# Altium PCB SPG_300.PcbDoc (part 5 of 7) (continued)
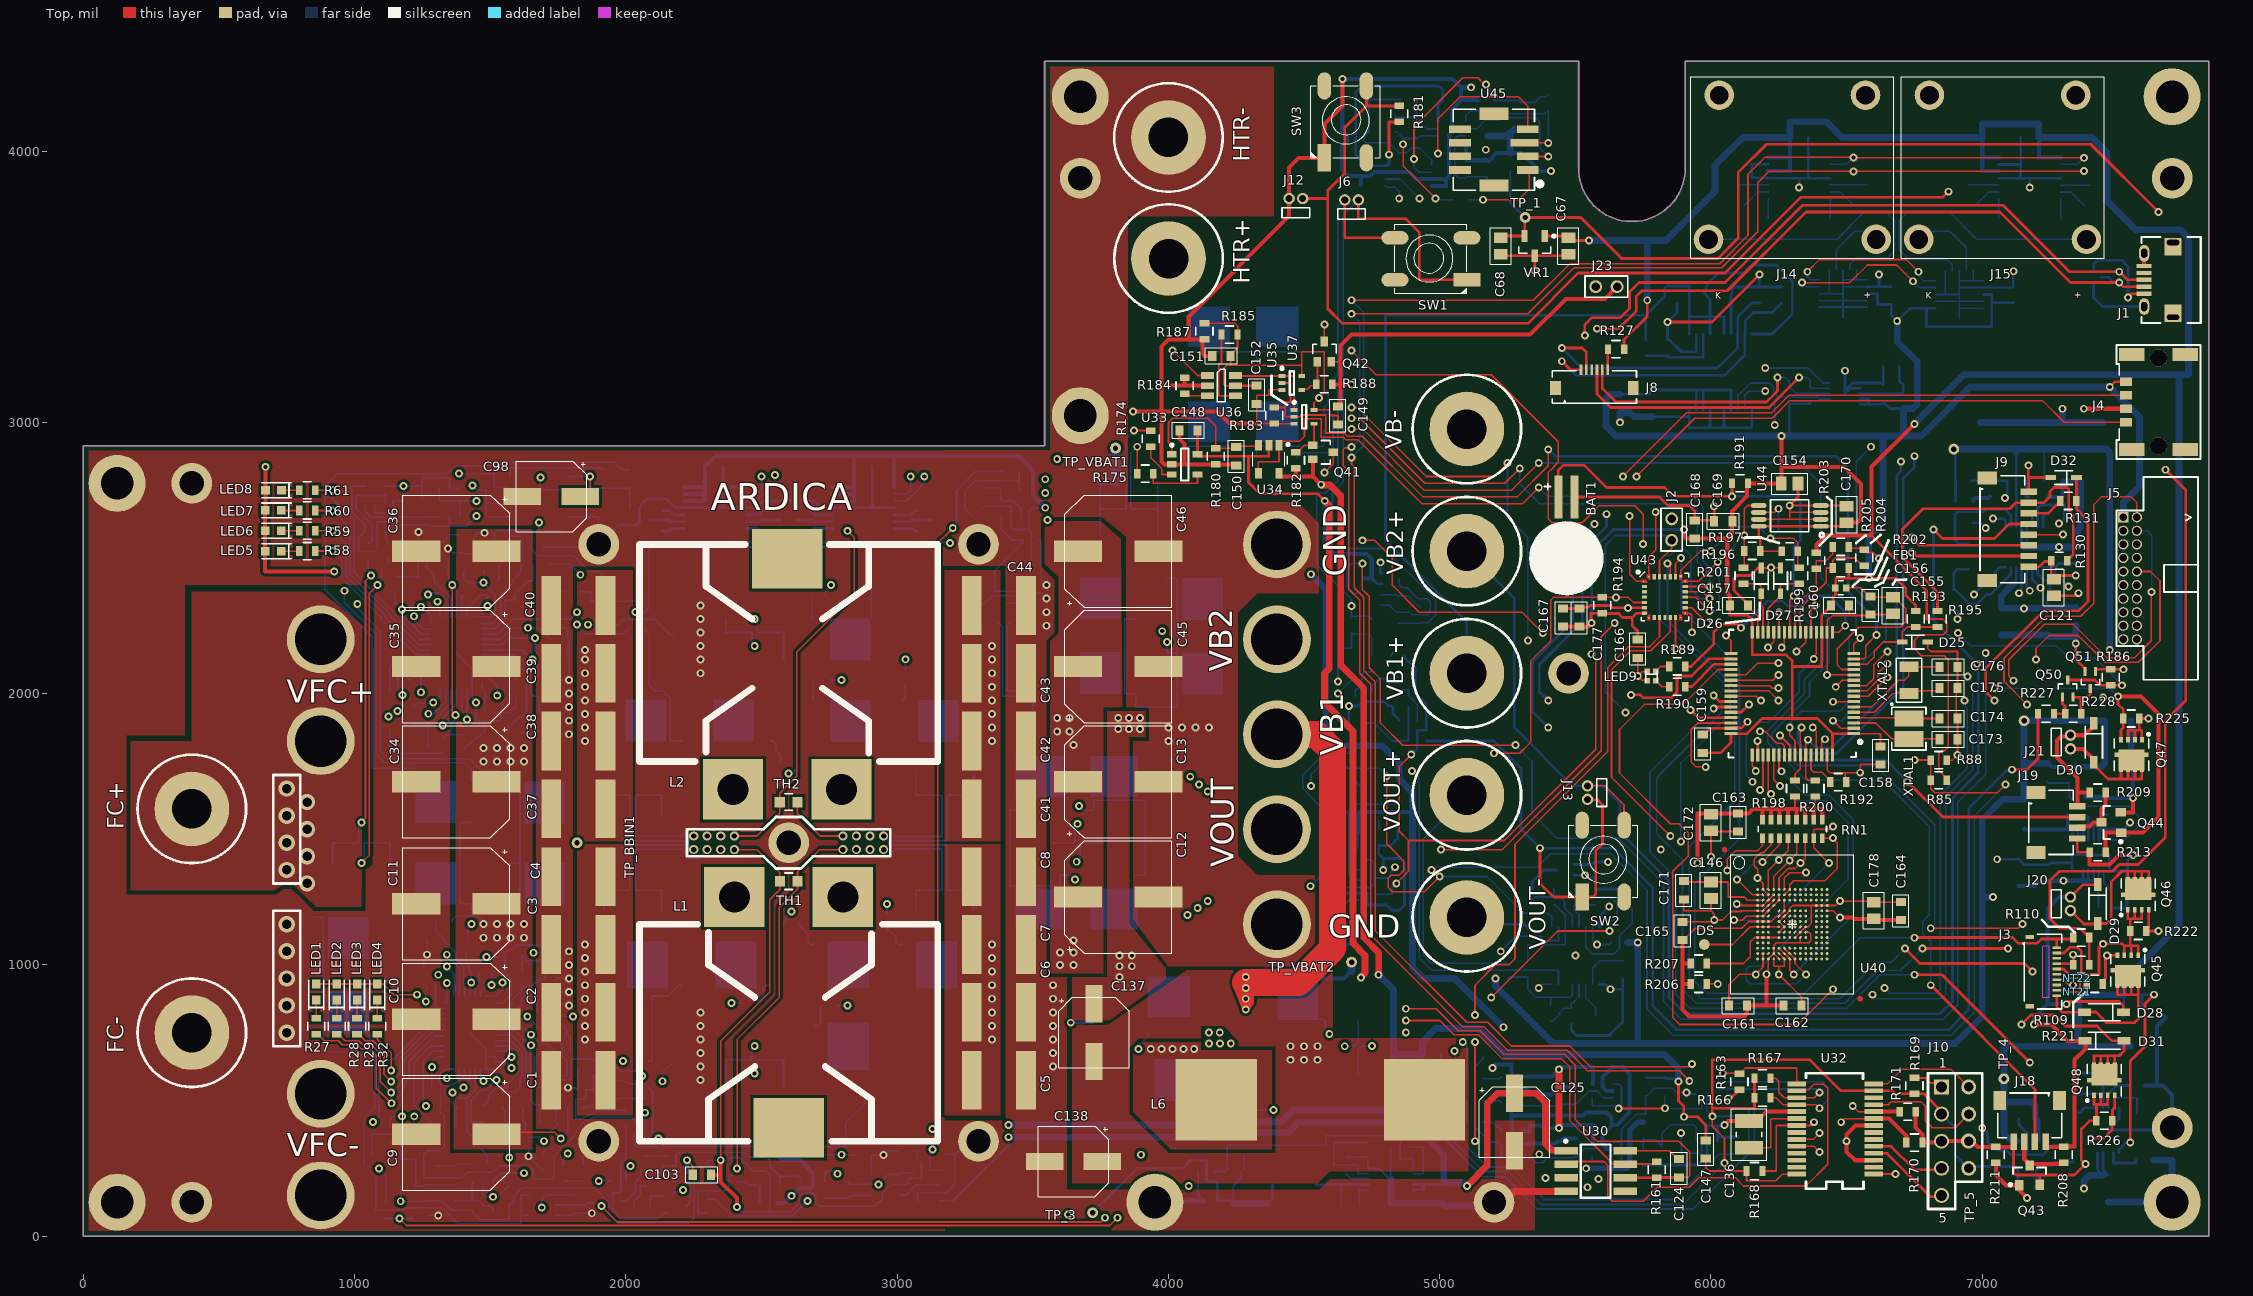
[diagram p0: Top view]
## Nets (pads, with @x,y where several pads share a name; then routed paths per layer and width w, separated by ;. In a path a pad name is that pad's centre, name@x,y a point inside that pad or via, vN(x,y) a via of type N, cw(c..) or ccw(c..) an arc to the next point about the centre after c; other vN are vias at no path point) (continued)
  Bottom w6: R220.2@4835,4129.53 4839.77,4124.76 4905.09,4124.76 C187.1@4914.53,4115.31 ; R216.1@4914.53,4190.51 C187.1@4914.53,4115.31 ; U47.7@4993.43,4082.32 4951.46,4082.32 4920.79,4112.99 C187.1@4916.85,4112.99 C187.1@4914.53,4115.31
NetC187_2: C187.2 R217.2 R220.1 U47.6 | length 523.8
  Top w6: v1(4865.31,4025) 4865.31,3944.68 v1(4985,3825)
  Bottom w6: R220.1@4835,4070.47 4840.91,4070.47 4865.31,4046.06 ; v1(4865.31,4025) 4865.31,4046.06 ; C187.2@4907.91,4055 C187.2@4916.85,4046.06 ; v1(4985,3825) 4990,3820 R217.2@5050.45,3820 ; U47.6@4993.43,4056.73 4927.52,4056.73 C187.2@4916.85,4046.06 ; 4865.31,4046.06 C187.2@4916.85,4046.06
NetC188_1: C188.1 C189.1 D17.A | length 317.7
  Bottom w6: C189.1@4722.85,1891.73 4758.27,1891.73 4825,1825 C188.1@4883.39,1825 4885,1826.61 D17.A@4885,1953.9
NetD2_A: D2.A D4.A NT3.1 Q1.S1 Q1.S2 Q1.S3 Q3.S1 Q3.S2 Q3.S3 Q4.S1 Q4.S2 Q4.S3 R9.2 R10.2 | length 211.3
  Bottom w6: NT3.1@2484.96,635 2484.96,650 2581.26,650 R10.2@2581.26,550
NetD5_A: D5.A D6.A R18.2 | length 135.4
  Bottom w6: D5.A@1294.96,259.13 1371.73,259.13 1372.2,259.61 1377.59,265 R18.2@1427.93,265
NetD7_A: D7.A D9.A NT11.2 Q7.S1 Q7.S2 Q7.S3 Q9.S1 Q9.S2 Q9.S3 Q10.S1 Q10.S2 Q10.S3 R48.2 R49.2 | length 206.3
  Bottom w6: NT11.2@2484.96,2235 2484.96,2225 2581.26,2225 R48.2@2581.26,2125
NetD11_A: D11.A D12.A R53.2 | length 275.6
  Bottom w6: D11.A@1129.13,1869.13 1129.13,1810 1129.13,1805 1134.06,1805 1158.58,1780.47 R53.2@1330.47,1780.47
NetD14_3: D14.3 Q15.1 | length 186.2
  Bottom w6: Q15.1@2174.64,228.5 2174.64,200 2237,200 2237,125.05 D14.3@2222.6,110.65
NetD15_3: D15.3 Q14.1 | length 165.6
  Bottom w6: D15.3@1975,129.13 2000.59,129.13 2036,164.54 2036,200.53 2055.32,219.84 Q14.1@2055.32,246.5
NetD19_C: D19.C Q27.S1 Q27.S2 Q27.S3 Q28.S1 Q28.S2 Q28.S3 Q29.S1 Q29.S2 Q29.S3 Q30.S1 Q30.S2 Q30.S3 | length 885.3
  Route2-SIG w6: v1(3977.34,2230) 3977.34,2223.56 3965,2211.22 3965,2176.36 3981.24,2160.12 3999.06,2160.12 4119.18,2040 4585,2040 v1(4625,2000)
  Bottom w6: v1(4625,2000) 4674.49,2049.49 4674.49,2072.24 D19.C@4675,2072.76
NetD20_1: D20.1 R121.1 | length 73.7
  Bottom w6: D20.1@4819.41,2137.4 4819.41,2141.34 4845,2166.93 R121.1@4845,2200.47
NetD21_A: D21.A Q33.G R128.1 R129.2 | length 502.5
  Bottom w6: Q33.G@4344.88,950 4344.88,976.34 4368.54,1000 4570,1000 4602.76,1032.76 D21.A@4602.76,1075 4595.91,1101.84 4595.91,1150.33 R128.1@4595.47,1150.77 4595.47,1165 R129.2@4595.47,1226.66
NetD25_C: D25.C R193.1 R195.2 U41.14 | length 399.1
  Top w6: U41.14@6526.38,2108.27 6574.84,2108.27 6601.57,2135 6601.57,2156.57 6635,2190 D25.C@6704.45,2190 6704.45,2225.94 6723.98,2245.47 R193.1@6755,2245.47 R195.2@6835,2245.47
NetD29_A: D29.A J20.1 Q46.D1 Q46.D2 Q46.D3 Q46.D4 | length 603.5
  Top w10: J20.1@7325,1200 7374.23,1150.77 7423.61,1150.77 D29.A@7425,1152.17 7457.68,1152.17 7475,1169.49 7475,1305.95 7514.05,1345 7536.61,1345 ; Q46.D4@7536.61,1311.42 7536.61,1345 ; Q46.D3@7562.2,1311.42 7562.2,1345 ; Q46.D2@7587.8,1311.42 7587.8,1345 ; Q46.D1@7613.39,1311.42 7613.39,1345 7587.8,1345 ; 7536.61,1345 7562.2,1345 ; 7562.2,1345 7587.8,1345
NetD30_A: D30.A J21.1 Q47.D1 Q47.D2 Q47.D3 Q47.D4 | length 468.5
  Top w10: D30.A@7411.61,1747.17 7411.61,1737.32 7463.94,1685 7511.61,1685 ; Q47.D1@7511.61,1721.85 7511.61,1685 ; Q47.D2@7537.2,1721.85 7537.2,1685 ; Q47.D3@7562.8,1721.85 7562.8,1685 ; Q47.D4@7588.39,1721.85 7588.39,1685 7562.8,1685 ; 7511.61,1685 7537.2,1685 ; 7537.2,1685 7562.8,1685
  Top w15: J21.1@7325,1796.51 7372.11,1796.51 7411.61,1757.01 D30.A@7411.61,1747.17
NetDS_TP: DS.TP U40.*DS | length 302.8
  Top w6: DS.TP@5975,1075 6079.53,1075 6144.69,1140.16 U40.*DS@6172.05,1140.16 U40.*DS@6191.73,1140.16 U40.*DS@6211.42,1140.16 U40.*DS@6250.79,1140.16
NetJ1_1: J1.1 U42.6 | length 350.4
  Top w10: v1(7537.2,3460) 7551.02,3473.82 J1.1@7596.85,3473.82
  Bottom w10: U42.6@7410.73,3554.68 7410.73,3583.09 7425,3597.36 7514.84,3597.36 7537.2,3575 v1(7537.2,3460)
NetJ9_3: J9.3 R131.1 | length 139.1
  Top w10: J9.3@7171.26,2664.53 7242.6,2664.53 7275.35,2697.28 7281.26,2697.28 7288.07,2704.09 R131.1@7288.07,2710
NetJ10_1: J10.1 R169.2 U32.1 | length 586.2
  Top w7: U32.1@6599.43,228.66 v1(6680,228.66) ; R169.2@6750,583.58 6790.22,583.58 6808.74,565.06 6834.94,565.06 J10.1@6850,550
  Route3-GND w7: v1(6680,228.66) 6680,380 J10.1@6850,550
NetJ14_1: J14.1 U38.4 | length 1069.8
  Bottom w6: J14.1@5990.94,3704.25 6020.2,3675 6465,3675 6565,3775 6645,3775 6678,3742 6678,3633 6650,3605 6534.41,3605 6512.36,3582.95 U38.4@6512.36,3562.8
NetJ14_2: J14.2 U38.2 | length 249
  Bottom w6: U38.2@6461.18,3562.8 6461.18,3635.43 6530,3704.25 J14.2@6609.06,3704.25
NetJ15_1: J15.1 U39.4 | length 283.6
  Bottom w6: J15.1@6765.94,3704.25 6880,3704.25 6940.59,3643.66 U39.4@6940.59,3559.76
NetJ15_2: J15.2 U39.2 | length 1102.8
  Bottom w6: U39.2@6889.41,3559.76 6889.41,3580.59 6870,3600 6730,3600 6695,3635 6695,3745 6725,3775 6879.25,3775 6979.25,3675 7354.8,3675 J15.2@7384.06,3704.25
NetJ18_3: J18.3 Q43.3 R208.1 | length 223.8
  Top w15: J18.3@7154.8,347.95 7154.8,283.46 Q43.3@7174.49,263.78 ; Q43.3@7174.49,260.43 Q43.3@7174.49,263.78 ; R208.1@7300,270 7295.69,265.69 7176.4,265.69 Q43.3@7174.49,263.78
NetJ19_3: J19.3 Q44.3 R209.1 | length 213.7
  Top w15: J19.3@7350.47,1505.32 7354.78,1509.63 7394.63,1509.63 7410.16,1525.16 Q44.3@7439.41,1525.16 ; Q44.3@7439.57,1525 Q44.3@7439.41,1525.16 ; R209.1@7454.53,1635.24 7454.53,1590.12 7439.41,1575 Q44.3@7439.41,1525.16
NetLED1_C: LED1.C R27.1 | length 66.9
  Top w6: R27.1@859.01,803.6 LED1.C@859.01,870.47
NetLED2_C: LED2.C R28.1 | length 66.9
  Top w6: R28.1@934.01,803.6 LED2.C@934.01,870.47
NetLED3_C: LED3.C R29.1 | length 66.9
  Top w6: R29.1@1009.01,803.6 LED3.C@1009.01,870.47
NetLED4_C: LED4.C R32.1 | length 66.9
  Top w6: R32.1@1084.01,803.6 LED4.C@1084.01,870.47
NetLED5_C: LED5.C R58.1 | length 66.2
  Top w6: LED5.C@729.48,2525 795,2525 R58.1@795.47,2525.47
NetLED6_C: LED6.C R59.1 | length 65.9
  Top w6: LED6.C@729.48,2600 R59.1@795.43,2600
NetLED7_C: LED7.C R60.1 | length 65.9
  Top w6: LED7.C@729.48,2675 R60.1@795.43,2675
NetLED8_C: LED8.C R61.1 | length 64.8
  Top w6: LED8.C@730.63,2750 R61.1@795.47,2750
NetLED9_AL: LED9.AL R189.1 | length 56.3
  Top w6: LED9.AL@5796.22,2082.87 5813.35,2100 R189.1@5845.47,2100
NetLED9_AS: LED9.AS R190.1 | length 58.5
  Top w6: LED9.AS@5796.22,2047.44 5818.66,2025 R190.1@5845.47,2025
NetNT1_1: NT1.1 U1.31 | length 2400.8
  Route2-SIG w6: v2(1339.88,933.23) 1339.88,953.21 1383.7,997.04 1383.7,1221.03 1542.67,1380 2464.52,1380 2529.52,1315 2683.78,1315 2757.99,1389.21 2864.13,1389.21 v3(2899.92,1425)
  Bottom w6: U1.31@1330.47,858.27 1337.54,858.27 1339.96,860.69 1339.88,860.77 v2(1339.88,933.23) ; v3(2899.92,1425) 2929.39,1395.53 2962.98,1395.53 2994.45,1427 3164.96,1427 NT1.1@3164.96,1360
NetNT2_1: NT2.1 U1.30 | length 2597.7
  Route2-SIG w6: v2(1308.47,963.46) 1308.47,953.78 1310.94,951.32 1310.94,921.06 1326,906 1361.21,906 1367.45,912.24 1367.45,956.73 1400,989.27 1400,1144.61 1400.18,1144.79 1400.18,1216.63 1549.11,1365.56 2449.94,1365.56 2515.38,1300.12 2689.08,1300.12 2754.52,1365.56 2890.48,1365.56 v3(2949.92,1425)
  Bottom w6: v2(1308.47,963.46) 1308.47,956.96 1298.06,946.55 1298.06,846.94 1306.42,838.58 U1.30@1330.47,838.58 ; v3(2949.92,1425) 2966.92,1442 3184.96,1442 NT2.1@3184.96,1360
NetNT3_2: NT3.2 R12.1 | length 907.2
  Route3-GND w6: v2(1804.96,810) 1804.96,721.22 1833.78,692.39 2130,692.39 2222.39,600 v2(2474.96,600)
  Bottom w6: R12.1@1734.48,824.02 1734.48,819.31 1743.8,810 v2(1804.96,810) ; v2(2474.96,600) 2484.96,610 NT3.2@2484.96,615
NetNT4_1: NT4.1 U1.33 | length 1711.9
  Route2-SIG w6: v2(1339.96,1037.5) 1353.74,1051.28 1353.74,1230.25 1533.49,1410 2234.96,1410 v3(2249.96,1425)
  Bottom w6: v2(1339.96,1037.5) 1339.96,1033.04 1385.59,987.41 U1.33@1385.59,883.86 ; NT4.1@2014.96,1320 2014.96,1442 2232.96,1442 v3(2249.96,1425)
NetNT5_1: NT5.1 U1.32 | length 1776.9
  Route2-SIG w6: v2(1339.96,994.25) 1368.46,1022.76 1368.46,1225.94 1537.19,1394.67 2269.24,1394.67 v3(2299.56,1424.99)
  Bottom w6: v2(1339.96,994.25) 1339.96,992.53 1368.32,964.16 1368.32,904.47 1365.9,902.05 U1.32@1365.9,883.86 ; NT5.1@2034.96,1320 2034.96,1426 2207.51,1426 2239.51,1394.01 2268.58,1394.01 v3(2299.56,1424.99)
NetNT6_1: NT6.1 R14.2 | length 1049.1
  Route3-GND w6: v2(1659.96,1044.53) 1729.48,975 1808.66,975 1833.78,949.88 1899.96,949.88 2099.83,750 2100,750 2299.56,750 2348.78,700.79 v2(2474.96,700.79)
  Bottom w6: v2(1659.96,1044.53) 1684.94,1044.53 1689.94,1049.53 R14.2@1719.72,1049.53 ; NT6.1@2464.96,675 2464.96,690.79 v2(2474.96,700.79)
NetNT7_1: NT7.1 U3.31 | length 2782.4
  Route2-SIG w6: v1(1245,2320) 1237.3,2327.7 1237.3,2372.2 1260.1,2395 1297.36,2395 1334.75,2357.61 1334.75,2215 1399.07,2150.68 1502.46,2150.68 1725,1928.14 1725,1750 1958.07,1516.93 2456.77,1516.93 2524.83,1585 2681.58,1585 2749.65,1516.93 2857.99,1516.93 v3(2899.92,1475)
  Bottom w6: v1(1245,2320) 1280.47,2284.53 U3.31@1280.47,2258.27 ; v3(2899.92,1475) 2930.44,1505.52 2962.06,1505.52 2994.58,1473 3164.96,1473 NT7.1@3164.96,1534.98
NetNT8_1: NT8.1 U3.30 | length 2873.7
  Route2-SIG w6: v1(1219.45,2285) 1215,2289.45 1215,2375.06 1249.94,2410 1301.64,2410 1351.24,2360.4 1351.24,2220.39 1406.63,2165 1510.47,2165 1516.31,2159.17 1740,1935.47 1740,1760 1965.22,1534.78 2450.43,1534.78 2514.14,1598.49 2689.48,1598.49 2753.19,1534.78 2890.14,1534.78 v3(2949.92,1475)
  Bottom w6: v1(1219.45,2285) 1220,2284.45 1220,2270.47 1251.89,2238.58 U3.30@1280.47,2238.58 ; v3(2949.92,1475) 2966.92,1458 3184.96,1458 NT8.1@3184.96,1535
NetNT9_1: NT9.1 U3.33 | length 2035.5
  Route2-SIG w6: v1(1270,2365) 1270,2335 1288.98,2316.02 1288.98,2210.38 1379.43,2119.94 1485.06,2119.94 1695,1910 1695,1730 1940,1485 2239.96,1485 v3(2249.96,1475)
  Bottom w6: v1(1270,2365) 1276,2371 1314.59,2371 1335.59,2350 U3.33@1335.59,2283.86 ; NT9.1@2014.96,1575 2014.96,1458 2232.96,1458 v3(2249.96,1475)
NetNT10_1: NT10.1 U3.32 | length 1976.9
  Route2-SIG w6: v1(1305,2338.74) 1305,2219.96 1390,2134.96 1495.04,2134.96 1510.23,2119.77 1710,1920 1710,1741.48 1948.53,1502.95 2271.61,1502.95 v3(2299.56,1475)
  Bottom w6: v1(1305,2338.74) 1305,2320 1315.9,2309.1 U3.32@1315.9,2283.86 ; NT10.1@2034.96,1575 2034.96,1474 2206.46,1474 2237.61,1505.16 2269.41,1505.16 v3(2299.56,1475)
NetNT11_1: NT11.1 R50.1 | length 871
  Route2-SIG w6: v1(1819.96,2299.98) 1924.46,2404.48 2345.48,2404.48 v2(2474.96,2275)
  Bottom w6: R50.1@1735.35,2275 1794.98,2275 v1(1819.96,2299.98) ; v2(2474.96,2275) 2484.96,2265 NT11.1@2484.96,2255
NetNT12_1: NT12.1 R51.1 | length 1014.3
  Route2-SIG w6: v1@1830.13,2436.1 1870.57,2436.1 1886.67,2420 2370,2420 2504.71,2285.29 2504.71,2204.75 v2(2474.96,2175)
  Bottom w6: R51.1@1717.75,2477.13 1792.98,2477.13 v1(1832.06,2438.04) ; NT12.1@2464.96,2195 2464.96,2185 v2(2474.96,2175)
NetNT13_1: NT13.1 R114.2 | length 1028.2
  Top w6: v1(1024.96,1525.16) 1040,1540.2 1040,2415.06 v1(1059.94,2435)
  Bottom w6: NT13.1@1014.96,1490 1014.96,1515.16 v1(1024.96,1525.16) ; R114.2@1049.96,2495.47 1049.96,2451.48 1059.94,2441.49 v1(1059.94,2435)
NetNT14_1: NT14.1 R115.2 | length 1196.6
  Top w6: v1(1024.96,1375) 1054.68,1404.72 1054.68,2369.68 1085,2400 v1(1085,2400.09)
  Bottom w6: v1(1024.96,1375) 1034.96,1385 NT14.1@1034.96,1405 ; v1(1085,2400.09) 1085,2405.93 1097.64,2418.57 1097.64,2453.94 1125,2481.3 1125,2495.67 R115.2@1124.72,2495.94
NetNT15_1: NT15.1 R152.2 | length 363.3
  Bottom w6: R152.2@3369.53,2265 3389.96,2244.57 3389.96,1990 NT15.1@3469.83,1990
NetNT16_1: NT16.1 R150.2 | length 326.5
  Bottom w6: R150.2@3420.47,2265 3404.96,2249.48 3404.96,2009.88 NT16.1@3469.96,2009.88
NetNT17_2: NT17.2 R157.1 R158.1 | length 688.4
  Route3-GND w6: v1(4750,700.79) 5037.34,700.79 v1(5055,683.12)
  Bottom w6: NT17.2@4700,660 4700,686 4714,700 4749.21,700 v1(4750,700.79) ; v1(5055,683.12) 5055,610 5065,600 5065,515 5080.79,499.21 R158.1@5100.47,499.21 R157.1@5100.47,419.49
NetNT18_2: NT18.2 R159.1 R160.1 | length 675.5
  Route3-GND w6: v2(4650.02,700) 4678.02,728 4761,728 4771.34,717.66 5082.34,717.66 v1(5085,715)
  Bottom w6: v2(4650.02,700) 4686,700 4700,714 NT18.2@4700,740.31 ; v1(5085,715) 5100.47,699.53 R160.1@5100.47,660 R159.1@5100.47,580
NetNT19_1: NT19.1 R174.2 | length 407.2
  Top w6: v1(3872.83,2970) 3934.48,2970 R174.2@3934.96,2969.53 R174.2@3947.83,2970
  Bottom w6: NT19.1@3813.78,2681.1 3844,2681.1 3844,2939 v1@3875,2970
NetNT20_1: NT20.1 R175.2 | length 373.4
  Top w6: v1(3885,2910) 3885,2811.45 R175.2@3885.43,2811.02
  Bottom w6: v1(3885,2910) 3860,2885 3861,2885 3861,2681.1 NT20.1@3894.96,2681.1
NetNT20_2: NT20.2 Q37.S1 Q37.S2 Q37.S3 Q39.S1 Q39.S2 Q39.S3 R172.2 R173.2 R176.2 R177.2 | length 695.2
  Bottom w6: NT20.2@3916.41,2681.1 3960.78,2681.1 ; R172.2@3960.78,2581.15 3960.78,2681.1 ; R173.2@3960.78,2781.1 3960.78,2681.1 ; Q39.S1@4474.96,2869.88 4474.96,2888 4606.5,2888 4606.5,3029.53 R176.2@4575,3029.53 4575,3055 4589.76,3069.76 4589.76,3108.5 4575,3123.27 R177.2@4575,3145.47
NetQ1_G: Q1.G R4.2 | length 93.5
  Bottom w6: Q1.G@2694.8,774.84 2707.79,774.84 2717.3,784.35 2717.3,847.03 R4.2@2720.43,850.16
NetQ2_G: Q2.G R11.2 | length 377.2
  Bottom w6: R11.2@2084.48,645 2095,645 2095,885 2155,885 2195,925 Q2.G@2205.08,925
NetQ3_G: Q3.G R7.2 | length 89.4
  Bottom w6: R7.2@2489.48,860 2489.48,865.91 2507.58,884 2507.58,915.49 2517.08,925 Q3.G@2530.08,925
NetQ4_G: Q4.G R5.2 | length 106.3
  Bottom w6: R5.2@2639.48,1150.77 2639.48,1144.87 2672.3,1112.05 2672.3,1084.51 2681.81,1075 Q4.G@2694.8,1075
NetQ5_G: Q5.G R8.2 | length 90.4
  Bottom w6: R8.2@2962.46,1130.56 2968.36,1130.56 2997.34,1101.58 2997.34,1084.51 3006.85,1075 Q5.G@3019.84,1075
NetQ7_G: Q7.G R42.2 | length 78.9
  Bottom w6: R42.2@2685.47,2350 2685.47,2284.37 Q7.G@2694.84,2275
NetQ8_G: Q8.G R46.2 | length 512.6
  Bottom w6: R46.2@2069.53,2240 2069.53,2234.09 2085.91,2217.71 2085.91,2030.71 2106.75,2009.88 2136.78,2009.88 2164.29,1982.37 2164.29,1825 Q8.G@2205.08,1825
NetQ9_G: Q9.G R47.2 | length 99.3
  Bottom w6: Q9.G@2530.08,1825 2543.07,1825 2552.58,1815.49 2552.58,1792.38 2569.96,1775 2569.96,1750.52 R47.2@2570.47,1750
NetQ10_G: Q10.G R43.2 | length 76.7
  Bottom w6: R43.2@2690.9,2050.04 2690.9,1978.94 Q10.G@2694.84,1975
NetQ11_G: Q11.G R44.2 | length 59.6
  Bottom w6: Q11.G@3019.84,1975 3029.35,1984.51 3029.35,2028.58 R44.2@3030.83,2030.07
NetQ13_B: Q13.1 R87.1 | length 93.7
  Bottom w6: R87.1@2089.53,100.16 2089.53,148.03 Q13.1@2135.32,148.03
NetQ13_C: Q13.3 R84.1 | length 570.2
  Bottom w6: R84.1@2000,405.47 2000,290 1982,272 1982,161 1953,161 1953,94 1982,65 2120,65 2140.04,85.04 Q13.3@2155,85.04
NetQ14_C: Q14.3 R87.2 | length 111.7
  Bottom w6: R87.2@2030.47,100.16 2030.47,130.47 2053,153 2053,178.35 2058.15,183.5 Q14.3@2075,183.5
NetQ15_C: Q15.3 R83.2 | length 93.7
  Bottom w6: R83.2@2065,300.47 2071.07,294.4 2152.05,294.4 Q15.3@2154.96,291.5
NetQ16_G: Q16.G Q18.G U15.15 | length 3201.5
  Route2-SIG w6: v1(4112.83,1664.47) 4484.47,1664.47 4510,1690 4537.22,1690 4586.8,1640.42 4745,1640.42 4875,1692.31 4897.28,1714.58 v1(4897.28,1715)
  Route3-GND w6: v2(3669.84,1585) 4033.36,1585 v1(4112.83,1664.47)
  Bottom w6: v2(3669.84,1585) 3670.72,1585 3685.83,1569.88 Q16.G@3724.96,1569.88 3724.96,1607 3914.96,1607 3914.96,1330.12 Q18.G@3874.96,1330.12 ; v1(4897.28,1715) 4925,1687.28 4925,1025 4970,980 5437.78,980 U15.15@5437.78,927.87
NetQ17_G: Q17.G Q19.G U15.2 | length 2821
  Route2-SIG w6: v1(4107.88,1208.99) 4107.88,1248.67 4189.09,1329.88 4499.88,1329.88 ; 4500,1330 4499.88,1329.88 ; v1(5225,1050) 5169.25,994.25 4950.88,994.25 4890.5,1054.63 4890.5,1179.5 4740.12,1329.88 4499.88,1329.88
  Route3-GND w6: v2(3654.96,1315) 4001.87,1315 v1(4107.88,1208.99)
  Bottom w6: Q17.G@3449.96,1569.88 3414.96,1569.88 3414.96,1292 3599.96,1292 Q19.G@3599.96,1330.12 3638.96,1330.12 3654.08,1315 v2(3654.96,1315) ; v1(5225,1050) 5280,1105 5375,1105 5375,1090 5437.78,1090 U15.2@5437.78,1140.47
NetQ20_3: Q20.3 R105.1 | length 135.6
  Bottom w10: R105.1@5340,1279.53 5340,1305 5385,1350 Q20.3@5431.48,1350
NetQ21_G: Q21.G Q22.G Q23.G Q24.G R113.1 U19.7 | length 3125.6
  Route2-SIG w6: v1(1010,2330) 1010,2435.55 v1(1385.47,2811.02)
  Bottom w6: v1(1010,2330) 1010,2316 1095,2231 1095,1790 1125,1760 1423.81,1760 1468.81,1715 1534.96,1715 1547.34,1702.62 1547.34,1684.51 1556.85,1675 Q21.G@1569.84,1675 1569.93,1675.09 1599.72,1675.09 1609.96,1664.86 1609.96,1375 ; v1(1385.47,2811.02) R113.1@1480.47,2811.02 1515.39,2811.02 1515.39,2760 1572.2,2760 U19.7@1572.2,2750 ; Q22.G@1430.08,1525 1389.96,1525 1389.96,1225 Q23.G@1430.08,1225 1430.08,1199 1603.96,1199 1609.96,1205 1609.96,1375 ; Q24.G@1569.84,1375 1609.96,1375
NetQ25_G: Q25.G Q26.G U18.4 U18.6 | length 2109.7
  Bottom w6: Q25.G@844.84,900 884.96,900 ; Q26.G@844.84,1175 878.84,1175 884.96,1168.88 884.96,900 ; U18.4@1642.76,77.6 1615,77.6 ; U18.6@1642.76,152.4 1615,152.4 1615,77.6 ; 884.96,900 884.96,680.16 1075,680.16 1075,474.65 1035,434.65 1035,260.28 1078.5,216.77 1078.5,95 1179,95 1189,105 1322,105 1382,45 1615,45 1615,77.6
NetQ31_3: Q31.3 R122.1 | length 131.5
  Bottom w6: Q31.3@4688.5,1990 4688.5,2010.04 4712.24,2033.78 4712.24,2069.24 4723.47,2080.47 R122.1@4750,2080.47
NetQ32_1: Q32.1 R124.1 R126.2 | length 167.2
  Bottom w6: Q32.1@4781.5,2364.68 4839.84,2364.68 R126.2@4845,2359.53 4884.09,2359.53 4924.09,2319.53 R124.1@4930,2319.53
NetQ32_2: Q32.2 Q49.3 R126.1 | length 406.2
  Bottom w6: Q32.2@4781.5,2325.32 4814.25,2325.32 4839.09,2300.47 R126.1@4845,2300.47 4888.46,2300.47 4898.94,2290 4955,2290 4965,2300 4965,2339.02 4954.02,2350 4920,2350 4880,2390 4860,2390 4850.91,2399.09 Q49.3@4850.91,2425
NetQ34_3: Q34.3 R129.1 | length 52.6
  Bottom w6: R129.1@4654.53,1226.66 4667.87,1240 Q34.3@4701.58,1240
NetQ35_G: Q35.G R161.2 U30.7 | length 2413.2
  Top w6: v1(4875,795) 5000,795 5053,742 5143,742 5231.65,653.35 5450,653.35 5480,623.35 5480,424.69 5639.69,265 U30.7@5683.27,265 5683.98,265.72 5791.19,265.72 R161.2@5800,274.53
  Route2-SIG w6: v1(3890,690) 3920,660 4096.49,660 4121.05,635.44 4295.88,635.44 4455.44,795 v1(4875,795)
  Bottom w6: v1(3890,690) 3890,702.25 3924.96,737.2 Q35.G@3924.96,750.2
NetQ37_D1: Q37.D1 Q37.D2 Q37.D3 Q37.D4 Q38.S1 Q38.S2 Q38.S3 Q39.D1 Q39.D2 Q39.D3 Q39.D4 Q40.S1 Q40.S2 Q40.S3
NetQ37_G: Q37.G Q39.G R176.1 R178.2 | length 638.4
  Bottom w6: Q37.G@4073.49,2869.88 4073.49,2912 4568.51,2912 R178.2@4575,2918.49 R176.1@4575,2970.47 ; Q39.G@4324.96,2869.88 4324.96,2910
NetQ38_G: Q38.G Q40.G R177.1 R179.2 | length 639.1
  Bottom w6: Q38.G@4073.49,3219.88 4073.49,3260.63 4324.96,3260.63 ; Q40.G@4324.96,3219.88 4324.96,3260.63 ; R177.1@4575,3204.53 R179.2@4575,3255.47 4575,3260.63 4324.96,3260.63
NetQ41_1: Q41.1 R182.2 U35.4 | length 154.1
  Top w6: R182.2@4470,2889.53 4475.91,2889.53 4501.5,2915.12 Q41.1@4532.6,2915.12 4536.42,2918.94 U35.4@4536.42,2994.41
NetQ41_3: Q41.3 R178.1 | length 132.4
  Top w6: v1(4575,2815) 4607.4,2847.4 Q41.3@4607.4,2889.53
  Bottom w6: v1(4575,2815) R178.1@4575,2859.43
NetQ42_1: Q42.1 R188.2 U37.4 | length 147.4
  Top w6: U37.4@4491.42,3119.41 4493.88,3121.87 4511.71,3121.87 4525,3135.16 4540.63,3135.16 R188.2@4545.47,3140 4549.41,3143.94 Q42.1@4549.41,3223.23
NetQ42_3: Q42.3 R179.1 | length 107.4
  Top w6: Q42.3@4575,3298.03 v1(4575,3360)
  Bottom w6: R179.1@4575,3314.53 v1(4575,3360)
NetQ50_1: Q50.1 R227.1 R228.2 | length 108.6
  Top w10: R227.1@7264.53,1925.54 7299.25,1925.54 R228.2@7305.16,1931.45 ; Q50.1@7295.31,1987.01 7295.31,1963.21 7305.16,1953.37 R228.2@7305.16,1931.45 ; R228.2@7305.16,1925.54 R228.2@7305.16,1931.45
NetQ50_2: Q50.2 Q51.3 R228.1 | length 151.3
  Top w10: Q50.2@7335,1987.32 Q50.2@7334.69,1987.01 7364.21,1987.01 ; R228.1@7364.21,1925.54 7364.21,1987.01 ; Q51.3@7398.21,2018.5 7398.21,1996.68 7388.54,1987.01 7364.21,1987.01
NetR4_1: R4.1 R5.1 U1.16 | length 2357
  Route2-SIG w6: v2(1401.63,547.88) 1467.51,482 2024.16,482 2051.39,509.23 2098.47,509.23 2122.7,485 2684.96,485 2816.69,616.73 v2(2816.69,850.16)
  Route3-GND w6: v2(2609.96,1196.55) 2609.96,1056.89 v2(2816.69,850.16) v2@2816.69,850
  Bottom w6: v2(1401.63,547.88) 1424.96,571.21 U1.16@1424.96,616.14 ; R5.1@2580.43,1150.77 2589.74,1160.08 2589.74,1176.33 v2(2609.96,1196.55) ; R4.1@2779.48,850.16 v2(2816.69,850.16)
NetR7_1: R7.1 U1.14 | length 1460.8
  Route2-SIG w6: v2@1474.96,573.46 1474.96,523.5 1486.07,512.38 1944.32,512.38 2048.67,616.73 2135.64,616.73 2217.38,535 2389.96,535 v2(2389.96,860)
  Bottom w6: U1.14@1464.33,616.14 1464.33,583.13 1474.96,572.5 v2(1475.58,572.5) ; v2(2389.96,860) R7.1@2430.43,860
NetR8_1: R8.1 U1.18 | length 2447.6
  Route2-SIG w6: v2(1339.96,582.06) 1339.96,580.95 1324.96,565.95 1324.96,525 1383.96,466 2035.88,466 2057.58,487.7 2088.26,487.7 2105.96,470 2694.96,470 2962.46,737.5 v2(2962.46,1225)
  Bottom w6: v2(1339.96,582.06) 1373.06,582.06 1385.59,594.59 U1.18@1385.59,616.14 ; R8.1@2962.46,1189.61 v2(2962.46,1225)
NetR11_1: R11.1 U1.22 | length 1384
  Route2-SIG w6: v2(1263.46,480) 1229.96,513.5 1229.96,685.91 1550,685.91 1550,605.38 1560.25,595.12 1590.12,595.12 1602.7,607.7 1909.74,607.7 1947.04,645 v2(1989.96,645)
  Bottom w6: v2(1263.46,480) 1252,491.46 1252,645.28 1287.82,681.1 U1.22@1330.47,681.1 ; v2(1989.96,645) R11.1@2025.43,645
NetR22_1: R22.1 U1.36 | length 97.7
  Bottom w6: U1.36@1444.64,883.86 1444.64,907.64 1458,921 1458,972.43 R22.1@1455.43,975
NetR26_2: R26.2 U1.12 | length 617.3
  Route3-GND w6: v2(1578.38,620) 1578.38,613.51 1585.43,606.46 1585.43,338.5 1598.93,325 1765.77,325 v1(1785.77,305)
  Bottom w6: U1.12@1519.45,641.73 1555.92,641.73 1577.65,620 v2(1578.38,620) ; R26.2@1770,260.83 1770,289.23 v1(1785.77,305)
NetR27_2: R27.2 U1.25 | length 798
  Top w6: R27.2@859.01,744.55 864.92,744.55 889.47,720 939.92,720 954.92,705 1009.96,705 1024.96,690 1056,690 1080,666 1080,545.54 v2(1135.54,490)
  Bottom w6: v2(1135.54,490) 1164,513 1200,588 1200,643 1294.74,737.74 1328.05,737.74 U1.25@1330.47,740.16
NetR28_2: R28.2 U1.26 | length 681.1
  Top w6: R28.2@934.01,744.55 939.92,744.55 964.47,720 1014.92,720 1029.92,705 1062,705 1094,673 1094,570.5 v2(1134.97,529.53)
  Bottom w6: v2(1134.97,529.53) 1164,553 1183,593 1183,649 1293.7,759.7 1330.33,759.7 U1.26@1330.47,759.84
NetR29_2: R29.2 U1.27 | length 560.8
  Top w6: R29.2@1009.01,744.55 1014.92,744.55 1039.47,720 1069,720 1108.51,680.49 1108.51,596.49 v2(1135,570)
  Bottom w6: v2(1135,570) 1166,601 1166,654 1291.23,779.23 1330.17,779.23 U1.27@1330.47,779.53
NetR36_1: R36.1 U2.1 U2.4 | length 226.8
  Bottom w6: R36.1@1370,130.47 1434.82,130.47 ; U2.1@1434.82,197.01 1434.82,130.47 ; U2.4@1511,93.46 1511,100.16 1500.51,110.65 1479.82,110.65 1460,130.47 1434.82,130.47
NetR42_1: R42.1 R43.1 U3.16 | length 2511.6
  Route2-SIG w6: v1(2756,2400.09) 2756,2088.61 v1(2794.57,2050.04)
  Route3-GND w6: v1(1325,1882.33) 1305,1862.33 1305,1715 1365,1655 1955,1655 2095,1795 2598.96,1795 2794.57,1990.61 v1(2794.57,2050.04)
  Bottom w6: v1(1325,1882.33) 1325,1911.31 1374.96,1961.27 U3.16@1374.96,2016.14 ; R42.1@2744.53,2350 2735.22,2359.31 2735.22,2375.22 2756,2396 v1(2756,2400.09) ; R43.1@2754.53,2050.04 v1(2794.57,2050.04)
NetR44_1: R44.1 U3.18 | length 2604.4
  Route3-GND w6: v1(1271.72,1925.54) 1320.92,1925.54 1345.38,1950 1407,1950 1440,1917 1440,1889 1421,1870 1354.88,1870 1320,1835.12 1320,1719.63 1369.63,1670 1945,1670 2090,1815 2588.09,1815 2763.7,1990.61 2763.7,2060.7 2784.54,2081.54 2985.99,2081.54 v1(3030.83,2126.38)
  Bottom w6: v1(1271.72,1925.54) 1290.02,1925.54 1335.59,1971.11 U3.18@1335.59,2016.14 ; R44.1@3030.83,2089.13 v1(3030.83,2126.38)
NetR46_1: R46.1 U3.22 | length 1240.7
  Route3-GND w6: v1(1176.14,1995.41) 1176.14,2001.14 1328.35,2153.35 1588.43,2153.35 1610.08,2175 1610.08,2256.18 1628.9,2275 1650.12,2275 1670.12,2255 v1(1820,2255)
  Bottom w6: v1(1176.14,1995.41) 1160,2011.54 1160,2073.84 1166.16,2080 1279.37,2080 U3.22@1280.47,2081.1 ; v1(1820,2255) 1855,2220 1990.47,2220 R46.1@2010.47,2240
NetR47_1: R47.1 U3.14 | length 1932
  Route3-GND w6: v1(1413.78,1905) 1400.74,1891.96 1356.01,1891.96 1336.13,1911.84 1307.62,1911.84 1290,1894.22 1290,1709.82 1359.82,1640 1963.42,1640 2102.91,1779.48 2525.48,1779.48 v1(2599.96,1705)
  Bottom w6: v1(1413.78,1905) 1414.33,1905.55 U3.14@1414.33,2016.14 ; v1(2599.96,1705) 2611.5,1705 2629.53,1723.03 R47.1@2629.53,1750
NetR56_1: R56.1 U3.36 | length 84.3
  Bottom w6: U3.36@1394.64,2283.86 1394.64,2357.36 R56.1@1402.28,2365
NetR58_2: R58.2 U3.25 | length 629
  Top w6: R58.2@854.53,2525.47 v1(918.66,2525.47)
  Bottom w6: v1(918.66,2525.47) 952,2492.13 952,2427.53 1097,2282.53 1097,2273 1226,2144 1251,2144 1254.84,2140.16 U3.25@1280.47,2140.16
NetR59_2: R59.2 U3.26 | length 681.6
  Top w6: R59.2@854.48,2600 v1(918.66,2600)
  Bottom w6: v1(918.66,2600) 967,2551.66 967,2434 1114,2287 1114,2279.51 1233.67,2159.84 U3.26@1280.47,2159.84
NetR60_2: R60.2 U3.27 | length 734.7
  Top w6: R60.2@854.48,2675 v1(918.66,2675)
  Bottom w6: v1(918.66,2675) 982,2611.66 982,2441 1130,2293 1130,2287 1237.47,2179.53 U3.27@1280.47,2179.53
NetR61_2: R61.2 U3.28 | length 788
  Top w6: R61.2@854.53,2750 v1(918.66,2750)
  Bottom w6: v1(918.66,2750) 918.66,2718.47 997,2640.12 997,2449 1145,2301 1145,2295 1240.79,2199.21 U3.28@1280.47,2199.21
NetR63_2: R63.2 U3.12 | length 112.4
  Bottom w6: U3.12@1469.45,2041.73 1469.45,2020.81 1480.08,2010.18 1480.08,1935.68 R63.2@1478.71,1934.31
NetR70_2: R70.2 U4.3 | length 141.2
  Bottom w6: R70.2@7425.47,1210 7428.56,1213.09 U4.3@7428.56,1349.88
NetR72_2: R72.2 U5.4 | length 368.6
  Bottom w6: R72.2@4735,344.53 4725,344.53 4725.47,345 4610,345 4610,260.83 4700,260.83 4700,229.69 U5.4@4737.13,229.69
NetR75_2: R75.2 U6.4 | length 179.8
  Bottom w6: U6.4@7484.06,472.87 7484.06,504.06 7490,510 7570.31,510 R75.2@7570.31,450.09
NetR78_2: R78.2 U7.6 | length 61
  Bottom w10: R78.2@7167.6,2665.47 7173.5,2665.47 7184.13,2654.85 U7.6@7184.13,2614.8
NetR81_2: R81.2 U7.8 | length 62
  Bottom w10: U7.8@7223.5,2614.8 7223.5,2652.28 7236.69,2665.47 R81.2@7242.6,2665.47
NetR89_1: R89.1 R91.2 U9.3 | length 159.5
  Bottom w6: R89.1@2409.53,200 2439.53,200 2451.3,188.23 U9.3@2492.6,188.23 2492.6,127.95 R91.2@2500.55,120
NetR89_2: R89.2 U8.2 | length 54.8
  Bottom w6: U8.2@2296.42,198.19 2348.66,198.19 R89.2@2350.47,200
NetR92_1: R92.1 U14.3 | length 64.9
  Bottom w6: R92.1@4600,1695.47 4600,1675 4617.76,1657.24 U14.3@4617.76,1637.91
NetR93_1: R93.1 U14.4 | length 68.8
  Bottom w6: R93.1@4685.02,1695.47 4685.02,1679.6 4712.24,1652.38 U14.4@4712.24,1637.91
NetR95_1: R95.1 R102.1 U15.6 | length 428.2
  Bottom w6: U15.6@5538.56,1140.47 5538.56,1066.44 5565,1040 5642.87,1040 5662.87,1060 5662.87,1107.44 5709.53,1154.09 5709.53,1160.47 R95.1@5709.53,1170 5710,1160.47 5710,1170 5710,1206.38 5695.91,1220.47 R102.1@5690,1220.47
NetR96_2: R96.2 R98.1 U15.5 | length 164.7
  Bottom w6: U15.5@5513.37,1140.47 5513.37,1185.57 5496.81,1202.13 5496.81,1219.88 R96.2@5497.4,1220.47 R98.1@5575,1220.47
NetR97_1: R97.1 R100.2 R107.2 U15.13 | length 372.8
  Bottom w6: R97.1@5250,947.01 5258.46,955.47 R107.2@5325,955.47 5325,910 5355,880 5410,880 ; R100.2@5409.37,850.16 R100.2@5410,850.79 5410,880 ; U15.13@5488.17,927.87 5488.17,888.03 5480.14,880 5410,880
NetR100_1: R100.1 R106.1 U15.12 | length 198.1
  Bottom w6: R100.1@5410,791.73 5415.91,791.73 5441.5,817.33 5441.5,822.74 5458.28,839.53 R106.1@5485,839.53 5485,855 5513.36,883.36 U15.12@5513.36,927.87
NetR114_1: R114.1 U17.3 | length 350.3
  Bottom w6: R114.1@1049.96,2554.53 1055.86,2554.53 1065.17,2563.84 1065.17,2621.75 1005,2681.92 1005,2730 1112.4,2730 U17.3@1112.4,2697.24
NetR115_1: R115.1 U17.4 | length 52.9
  Bottom w6: U17.4@1112.4,2602.76 1115.41,2599.75 1115.41,2564.31 R115.1@1124.72,2555